# KiCad board launch.kicad_pcb (continued)
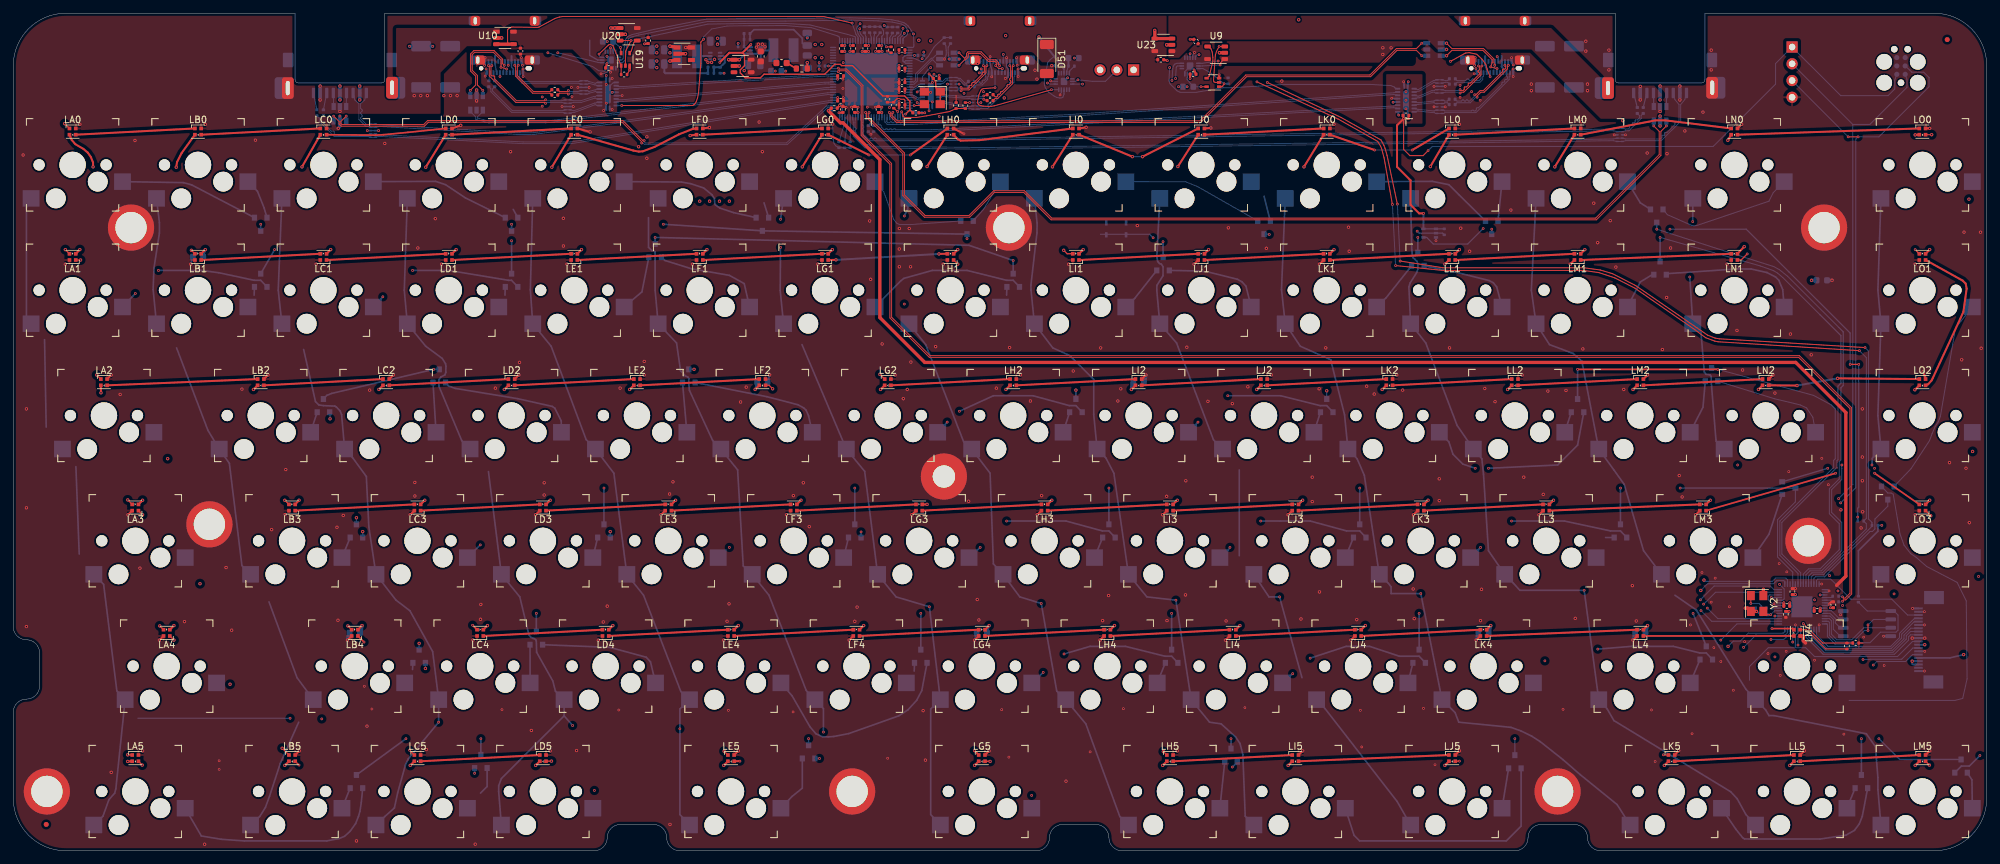
[diagram p0: board, top side]
## Routing (per net, layer and track width the routed paths; a pad name or vN(x,y) marks a point on that pad's centre or on a via; arc(x,y) is an arc through that point) (continued)
+3V6: length 157.6
  Top w0.25: LM4.2 269.6,33.7 v2(266.45,33.7)
  Top w0.3: LK4.2 v1(223.85,34.15) ; LB3.2 v1(43.3,53.15) ; 160.53,108.58 v1(157.45,103.7) ; LB4.2 v1(52.85,34.15) ; LF3.2 v1(119.35,53.15) ; 65.53,108.58 v1(62.5,103.65) ; LD1.2 v1(67.1,91.15) ; LC1.2 v1(48.1,91.15) ; 260.27,108.58 v1(259.77,107.73) ; v1(12.1,103.7) 12.1,104.35 11.77,105.17 11.3,105.85 10.63,106.43 9.41,107.14 8.87,107.77 8.52,108.58 ; 288.77,108.58 v1(288.15,108.55) ; 198.53,108.58 v1(195.55,103.7) ; LO3.2 v1(290.35,53.15) ; LE4.2 v1(109.85,34.15) ; LI3.2 v1(176.35,53.15) ; LI5.2 v1(193.15,12.95) ; LH3.2 v1(157.35,53.15) ; LA3.2 v1(19.6,53.15) ; LG2.2 v1(131.4,69.95) ; LH2.2 v1(150.4,69.95) ; 217.53,108.58 v1(214.7,103.75) ; LJ4.2 v1(204.85,34.15) ; LB1.2 v1(29.1,91.15) ; LC2.2 v1(55.4,69.95) ; LH1.2 v1(143.1,91.15) ; LA4.2 v1(24.35,34.15) ; LJ1.2 v1(181.1,91.15) ; LD5.2 v1(79.15,12.95) ; LM2.2 v1(245.4,69.95) ; LC5.2 v1(60.15,12.95) ; 122.53,108.58 v1(119.55,103.7) ; LL3.2 v1(233.35,53.15) ; LI2.2 v1(169.4,69.95) ; LD4.2 v1(90.85,34.15) ; LI1.2 v1(162.1,91.15) ; LB2.2 v1(36.4,69.95) ; LN1.2 v1(262.25,91.6) ; LO1.2 v1(290.35,91.15) ; LA1.2 v1(10.1,91.15) ; LE2.2 v1(93.4,69.95) ; LO2.2 v1(288.1,69.9) ; LM1.2 v1(238.1,91.15) ; LA5.2 v1(17.35,13.55) ; LA2.2 v1(13.3,69.45) ; LH4.2 v1(166.85,34.15) ; LG4.2 v1(147.85,34.15) ; LG1.2 v1(124.1,91.15) ; 141.53,108.58 v1(138.45,103.75) ; 179.53,108.58 v1(176.45,103.75) ; LM5.2 v1(288.15,12.95) ; 236.52,108.58 v1(233.55,103.7) ; LF1.2 v1(105.1,91.15) ; LK5.2 v1(250.15,12.95) ; LM3.2 v1(257.1,53.15) ; LK3.2 v1(214.35,53.15) ; v1(24.7,103.65) 24.82,104.43 25.53,105.82 27.52,108.58 ; LH5.2 v1(174.15,12.95) ; LJ2.2 v1(188.4,69.95) ; LN2.2 v1(264.4,69.95) ; 103.53,108.58 v1(102.55,108.45) ; LL4.2 v1(247.6,34.15) ; LL5.2 v1(269.15,12.95) ; LK2.2 v1(207.4,69.95) ; LE1.2 v1(86.1,91.15) ; LJ5.2 v1(216.9,12.95) ; LF4.2 v1(128.85,34.15) ; LC3.2 v1(62.35,53.15) ; 46.53,108.58 v1(43.75,103.7) ; LK1.2 v1(200.1,91.15) ; LD2.2 v1(74.4,69.95) ; LI4.2 v1(185.85,34.15) ; LG3.2 v1(138.45,52.53) ; LB5.2 v1(41.15,12.95) ; LL2.2 v1(226.4,69.95) ; LJ3.2 v1(195.35,53.15) ; LF2.2 v1(112.4,69.95) ; LE5.2 v1(107.65,12.95) ; LC4.2 v1(71.85,34.15) ; LE3.2 v1(100.35,53.15) ; 84.53,108.58 v1(81.6,103.65) ; LG5.2 v1(145.65,12.95) ; LD3.2 v1(81.35,53.15) ; LL1.2 v1(219.1,91.15)
  Top w0.5: v1(99.5,122) U18.1 ; v1(99.5,119.75) U18.3
  Bottom w0.25: J7.18 287.81,28.25 287.7,28.36 v1(287.7,28.75) J7.17
  Bottom w0.3: C60.1 v1(112.4,69.95) ; C69.1 R25.1 98.8,117.9 98.65,118.05 C35.1 ; C61.1 v1(29.1,91.15) ; C62.1 v1(147.85,34.15)
  Bottom w0.5: 169.56,71.05 v1(169.4,69.95) ; 273.06,86.5 v1(272.45,86.5) ; v1(223.85,34.15) 223.55,33.05 ; 52.69,33.05 v1(52.85,34.15) ; C64.1 v1(247.6,34.15)
  vias: v1(99.5,121) v1(104,98.5) v1(105.5,98.5) v1(107,98.5) v1(108.5,98.5)
/USB/VBUS_DET: length 11.3
  Top w0.15: R22.1 R21.2 141.84,112.09 138.36,111.44 136.9,111.2 135.05,111.2 134.8,111.4 v2(134.6,112.05)
  Bottom w0.15: v2(134.6,112.05) 134.4,111.8 U2.2
/USB/VBUS_MON: length 8
  Bottom w0.15: R28.1 R18.2 139.73,122.12 139.48,121.83 138.61,120.44 138.4,120.2 137.9,119.7 137.75,119.65 137.5,119.7 136.4,120.2 U2.80
GND: length 194.6
  Top w0.15: R4.2 280.25,31.5 ; v2(144.9,113.45) R22.2 ; R16.2 v2(93.4,118.4) ; R29.2 v2(132.4,121.25)
  Top w0.2: C7.2 v2(138.1,111.9) ; v2(131.65,121.2) C38.2 v2(130.65,121.2) ; C22.2 v2(126.75,121.2) ; v2(139,115) X1.2 ; C18.2 v2(134.2,121) ; v2(134.2,118.2) C23.2 v2(134.2,119.1) ; C55.2 v2(140.3,117.6)
  Top w0.25: v2(134.2,113.6) C41.2 v2(134.2,112.6) ; C58.2 v2(211.35,111) ; R3.2 v1(120.3,119.5)
  Top w0.3: LK4.4 v1(221.65,31.95) ; C17.2 v2(126.2,112.7) ; v2(128.6,121.2) C36.2 v2(129.6,121.2) ; C6.2 v2(174.85,119.8) ; C40.2 v2(125.2,113) ; LM3.4 v1(254.9,50.95) ; v2(130.6,112.75) C8.2 v2(131.6,112.75) ; LA2.4 v1(14.85,72.15) ; C57.2 v2(89.95,119.35) ; LJ5.4 v1(219.1,15.15) ; LA4.4 v1(22.15,31.95) ; C63.2 v2(178.9,118.4) ; LH0.4 v2(144.05,108.7) ; LL5.4 v1(271.35,15.15) ; LO2.4 v1(289.35,72.65) ; LJ0.4 v1(181.45,109.6) ; v2(134.2,115) C21.2 v2(134.2,116) C43.2 v2(134.2,117) ; LI2.4 v1(171.6,72.15) ; LH3.4 v1(155.15,50.95) ; LB4.4 v1(50.65,31.95) ; LI4.4 v1(183.65,31.95) ; C20.2 v2(125.75,114.2) ; C75.2 v2(178.3,123.05) ; LE5.4 v1(109.85,15.15) ; 179.53,89.58 v1(178.9,88.95) ; v2(127,112.75) C24.2 v2(128,112.75) ; LM2.4 v1(247.6,72.15) ; LF4.4 v1(126.65,31.95) ; LB2.4 v1(38.6,72.15) ; 236.52,89.58 v1(235.9,88.95) ; LF0.4 v1(105.48,109.67) ; LH4.4 v1(164.65,31.95) ; U14.3 v2(182.7,117.65) ; 198.53,89.58 v1(197.9,88.95) ; LC3.4 v1(60.15,50.95) ; LB5.4 v1(43.35,15.15) ; LK3.4 v1(212.15,50.95) ; LL3.4 v1(231.15,50.95) ; LJ4.4 v1(202.65,31.95) ; LI3.4 v1(174.15,50.95) ; LJ3.4 v1(193.15,50.95) ; LI5.4 v1(195.35,15.15) ; LE3.4 v1(98.15,50.95) ; LK5.4 v1(252.32,15.18) ; LL4.4 v1(245.4,31.95) ; LA3.4 v1(17.4,50.95) ; C37.2 v2(126,121.2) ; LN0.4 v1(261.85,110.15) ; 217.53,89.58 v1(216.9,88.95) ; LD2.4 v1(76.6,72.15) ; C74.2 v2(95.65,122.35) ; LN2.4 v1(266.6,72.15) ; C2.2 v2(275.3,36.85) ; LE0.4 v1(87.4,109) ; C19.2 v2(125.7,117) ; LD0.4 v1(67.8,110) ; LC2.4 v1(57.6,72.15) ; LD3.4 v1(79.15,50.95) ; LM5.4 v1(290.35,15.15) ; LG5.4 v1(147.85,15.15) ; LG4.4 v1(145.65,31.95) ; LI0.4 v1(162.55,109.7) ; LO0.4 v1(290.35,109.55) ; LG3.4 v1(136.15,50.95)
  Top w0.4: C3.2 v2(270,38.85) ; C1.2 v2(269.05,36.3) ; C73.1 v2(272.85,36.8) ; U19.3 v2(93.4,118.4) ; C72.1 v2(269.15,37.6)
  Top w0.5: U23.2 v1(174.75,122.2) ; U9.2 v1(182.75,121) ; v2(264.1,36.3) Y2.2 262.75,36.8 v2(262.4,36.8) ; U10.2 v1(74,123.25) ; U16.2 v1(110,119) ; 271.55,31.5 271.2,31.85 v2(271.2,32.55) LM4.4 ; U18.2 v1(101.85,120.85) ; Y2.4 v2(265.15,39.65) ; U20.2 v1(92.75,123.8)
  In1.Cu w0.137: 75.45,118.75 75.45,119.4 75.5,119.6 v2(77,120.25)
  In1.Cu w0.15: v2(146.1,119.35) 146.45,118.95 v2(146.65,118.55)
  In2.Cu w0.15: v2(146.1,119.35) 146.45,118.95 v2(146.65,118.55)
  Bottom w0.15: 177.85,118.5 177.5,118.15 U12.5 ; U15.21 90.55,116.15 90.9,116.45 U15.2 ; U12.17 v2(178.9,118.4) ; C71.2 263.95,36.45 v2(264.1,36.3) ; v2(141.8,120.05) 141.65,121 141.65,121.85 R28.2 ; R30.2 R19.2 R20.2 ; U11.17 v2(159.75,117.2) ; R11.2 R12.2 R13.2 124.6,106.9 124.37,107.23 124.23,107.83 v1(124.15,110.2) ; R33.2 v2(129.95,108.65) R34.2 ; U1.19 269.1,36
  Bottom w0.18: U22.3 v2(215.55,92.5)
  Bottom w0.2: v2(85.55,115.75) D8.3 D8.8 v2(87.25,115.75) ; D3.8 v2(143.3,116.25) ; D3.3 v2(141.55,116.25) ; v2(55.35,109.2) D6.3 D6.8 v2(53.65,109.2) ; v2(122.1,119.5) C39.2 v2(122.1,118.5) ; v2(89.95,120.45) U13.17 v2(89.95,119.35) ; v2(215.25,115.9) D5.8 D5.3 v2(216.95,115.9) ; U3.5 138.5,114.75 v2(139,115) ; v2(137.95,121.1) C42.2 v2(137.7,120.1) ; v2(83.15,112.85) D7.8 D7.3 v2(84.85,112.85) ; D2.8 v2(244.25,108.55) ; D4.8 v2(216.95,112.8) ; U2.24 125.6,112.7 ; J4.A1 v2(221.35,117.8) ; D2.3 v2(242.55,108.55) ; U3.11 v2(139.25,116.5) ; R20.2 v2(131.95,125.15) ; U3.20 v2(139.25,113.55) ; D1.3 v2(146.6,113.45) ; D1.8 v2(144.9,113.45) ; D4.3 v2(215.25,112.8)
  Bottom w0.25: U3.11 v2(139.5,117.75) ; J7.6 v2(289.55,34.25) ; U15.5 v2(90.75,115) U15.21 ; v2(138.1,111.9) R1.2 ; J5.S1 J5.S1 ; J7.1 v2(287.75,36.75) ; v2(211.35,116.6) U6.11 211.25,115.3 v2(211,113.8) 211.25,112.35 U6.20 v2(211.35,111) ; J7.14 v2(289.6,30.25) ; U3.2 137.15,113.25 v2(136.95,113.45) ; J7.20 v2(289.55,27.25) ; 109.82,121.92 v2(109.82,122.42) ; U15.21 89.85,116.3 U15.20 v2(89.85,117.55) ; U15.21 89.85,113.25 U15.11 v2(89.45,112.25) ; U6.5 209.2,113.55 v2(209.05,113.5) ; U6.2 v2(209.9,111.55) ; J4.S1 J4.S1 ; J7.2 v2(289.55,36.25)
  Bottom w0.3: v2(227.25,119.15) J4.B1 v2(227,120.25) ; v2(71.4,119.1) J5.B12 v2(71.5,120.25) ; v2(152.25,117.4) J0.A12 v2(152.25,118.55) ; R26.2 v2(107.7,117.9) ; v2(77,120.25) J5.B1 v2(77.15,119.1) ; v1(287.7,32.25) J7.10 v1(289.6,32.25) ; v2(71.65,118.55) J5.A1 v2(71.5,117.45) ; v2(221.6,118.6) J4.A1 ; C61.2 v1(26.9,88.95) ; v2(146.5,120.25) J0.B12 v2(146.1,119.35) ; v2(146.35,117.95) J0.A1 v2(146.65,118.55) ; C33.2 v2(115.45,118.23) ; C56.2 v1(157.35,119.05) ; C25.1 v2(160.75,120.2) ; C62.2 v1(145.65,31.95) ; C70.2 v2(264.1,36.3) ; v1(114.6,72.15) C60.2 ; v2(227.25,117.4) J4.A12 v2(227.25,118.55) ; v2(152,120.25) J0.B1 v2(152.1,119.1) ; v2(176.55,115.85) C26.1 v2(177.85,115.85) ; v2(77.25,117.4) J5.A12 v2(77.25,118.55) ; v2(221.4,119.1) J4.B12 v2(221.5,120.25)
  Bottom w0.4: C27.1 v2(90,122.7) ; v2(283.38,32.55) 283.93,32.55
  Bottom w0.5: v1(70.2,113.7) U21.2 v1(70.2,115.35) ; v1(49.25,109.55) 49.5,109.85 U8.2 v2(49.5,111.4) ; v1(52.5,113.85) J3.4 v1(52.5,115.95) ; v1(49.5,113.85) J3.7 v1(49.5,115.95) ; 50.81,33.05 v1(50.65,31.95) ; v2(141.8,120.05) U0.2 v2(143.3,120.05) ; 221.95,33.05 v1(221.65,31.95) ; v1(249.5,109.9) U5.2 v1(249.5,111.4) ; 120.3,118.76 v1(120.3,119.5) ; v2(63.55,121.98) v2(60.05,121.98) ; v1(252.5,115.95) J2.4 v1(252.5,113.85) ; U7.2 v1(217.15,121.5) ; C50.2 v2(120.3,123.25) ; 171.44,71.05 v1(171.6,72.15) ; v1(249.5,115.95) J2.7 v1(249.5,113.85) ; C64.2 v1(245.4,31.95) ; v2(125.2,113) 125.6,113 ; 274.94,86.5 v1(275.55,86.5)
  vias: v1(1.5,105.5) v1(2,67) v1(2,52) v1(2,34) v1(7.9,88.95) v1(10.1,110.15) v1(14.85,11.9) v1(16.2,69.2) v1(18.45,107.7) v1(19.2,42.85) v1(19.6,15.15) v1(25.95,34.75) v1(29,1) v1(29.1,110.15) v1(32.25,42.95) v1(33.1,33.45) v1(34.65,70) v1(36.7,107.75) v1(39.15,48.7) v1(41.2,51) v1(41.3,57.8) v1(45.9,88.95) v1(49.05,49.05) v1(49.2,34.95) v1(50,50.85) v1(52,1.5) v1(53.6,18.9) v1(54,69.85) v1(56.3,107.25) v1(60.85,55.85) v1(60.85,53.8) v1(61.3,91.4) v1(62.6,15.35) v1(63.95,95.85) v1(64.9,88.95) v1(65.25,114.5) v1(66.25,114.5) v1(67.25,114.5) v1(69.65,31.95) v1(70,1) v1(70.85,37.35) v1(70.8,35.1) v1(73.05,70.15) v1(75.35,106) v1(76.7,74.05) v1(78.5,18.25) v1(80.45,55.8) v1(80.45,53.95) v1(81.35,15.15) v1(83.35,95.9) v1(83.35,91.7) v1(83.9,88.95) v1(85.35,15.2) v1(88.65,31.95) v1(89.4,34.7) v1(90,37.1) v1(91.95,70.15) v1(94.75,106.75) v1(95.6,74.2) v1(95.6,72.15) v1(96,108.25) v1(96,105) v1(97.5,122) v1(97.5,121) v1(97.5,119.75) v1(97.5,118.75) v1(99.45,54.1) v1(99.5,4) v1(99.95,55.95) v1(102.9,88.95) v1(104.95,119.95) v1(105.25,119.55) v1(105.8,119.55) v1(106.25,120) v1(106.7,123.2) v1(106.7,122.3) v1(107.65,31.95) v1(108.15,34.8) v1(108.45,37.45) v1(110.2,68.05) v1(110.75,118.3) v1(111.05,70.3) v1(112.6,121.85) v1(112.9,122.3) v1(113,110.5) v1(113.5,122.3) v1(113.5,106) v1(113.9,121.9) v1(117.15,50.95) v1(118.2,53.85) v1(119.7,55.8) v1(120.6,49.15) v1(121.9,88.95) v1(127.5,34.8) v1(127.85,36.95) v1(129.75,95.5) v1(129.9,86.65) v1(131.65,76.85) v1(133.6,72.15) v1(134.25,94.35) v1(134.25,91.25) v1(134.25,88.55) v1(134.85,68.55) v1(135.45,69.95) v1(135.75,94.35) v1(135.95,88.55) v1(136,74.1) v1(137.2,122.9) v1(137.85,21.25) v1(138.2,13.75) v1(139.75,76.45) v1(140.9,88.95) v1(144.75,53) v1(146.05,38.1) v1(146.3,35) v1(148.95,70.15) v1(150.15,114.15) v1(150.35,123.6) v1(150.95,76.3) v1(152.6,72.15) v1(154.1,68.2) v1(154.8,118.35) v1(155.1,117) v1(155.8,53.85) v1(159.5,10.55) v1(159.9,88.95) v1(160.6,72.75) v1(164.75,76.25) v1(165.05,34.9) v1(165.95,38.7) v1(167.35,68.2) v1(167.8,70.05) v1(170.3,94.8) v1(174.75,53.75) v1(174.8,34.9) v1(176.35,15.15) v1(177.6,38.8) v1(177.65,56.1) v1(177.8,76.35) v1(181,68.15) v1(183.75,34.85) v1(184.1,94.45) v1(184.7,67.8) v1(187.05,70.35) v1(189.85,91.35) v1(190.6,72.15) v1(192.2,116.7) v1(194.75,126) v1(195.1,35.15) v1(196.8,56.65) v1(196.8,52.95) v1(197.85,70.05) v1(197.9,39.25) v1(198.85,76.25) v1(200.1,110.15) v1(202.3,94.55) v1(202.4,90.9) v1(203.55,35.05) v1(205.05,70.45) v1(206.2,69.25) v1(209.6,72.15) v1(210.5,69.85) v1(212.1,39.7) v1(212.25,35.2) v1(216.05,56.4) v1(216.05,53.1) v1(217.6,76.25) v1(219.1,110.15) v1(219.3,94.4) v1(220.65,90.9) v1(222.3,34.9) v1(222.45,39.65) v1(222.95,70.1) v1(224.5,68.1) v1(226.9,97.15) v1(228.6,72.15) v1(228.85,56.65) v1(230,116.25) v1(230,115.25) v1(231.8,54.05) v1(232.5,69.7) v1(235.25,69.8) v1(236.65,35.25) v1(237.6,110.55) v1(237.8,76.1) v1(238.25,122.75) v1(238.25,121.25) v1(239.45,98.2) v1(240.05,92.2) v1(241.75,121.4) v1(241.75,118.4) v1(241.95,95.55) v1(242.8,88.5) v1(243.86,110.7) v1(244,69.95) v1(245.3,40.2) v1(245.9,34.85) v1(247.55,105.8) v1(249.85,76) v1(250.5,83.9) v1(250.55,105.7) v1(251.1,91.4) v1(252.4,56.9) v1(252.85,53.65) v1(253.25,109.15) v1(256,112) v1(257.25,121.4) v1(257.25,118.4) v1(259.65,88.95) v1(261.15,78.9) v1(262,72.9) v1(266.9,69.4) v1(269.25,78.35) v1(272.4,75.2) v1(276.9,51.7) v1(279.95,48.95) v1(280.15,67) v1(280.15,59.7) v1(280.15,56.1) v1(280.2,51.4) v1(288.15,88.95) v1(288.15,50.95) v1(293.35,58.85) v1(295.2,74.45) v1(295.55,93.8) v1(295.85,58) v1(296.35,49.75) v1(298.05,93.8) v1(298.15,76.2) v2(31.2,13.65) v2(31.2,12.35) v2(53.2,24.95) v2(54.35,21.5) v2(74.05,21.4) v2(80.15,114.3) v2(80.15,112.9) v2(84.56,115.74) v2(84.65,114.35) v2(89.85,116.2) v2(89.85,113.35) v2(91.75,21.35) v2(108.35,21.3) v2(118.15,21.05) v2(125.7,115.6) v2(125.75,119.5) v2(129.4,112.75) v2(132.48,14.04) v2(132.75,112.7) v2(140.3,111.35) v2(144.05,114.85) v2(147,115.1) v2(149.75,21.4) v2(150.85,14.2) v2(163.15,15) v2(168.2,21.55) v2(186.6,21.7) v2(204.1,21.3) v2(204.3,15.75) v2(211,115.1) v2(211,112.5) v2(213.65,21.6) v2(215.4,13.05) v2(219.2,116.05) v2(219.2,114.25) v2(220.95,115.1) v2(222.25,113.8) v2(234.8,21.45) v2(248.2,21.35) v2(248.75,13.55) v2(254.1,34.25) v2(254.35,17.75) v2(255.85,42.2) v2(257.25,37.7) v2(257.65,30.8) v2(257.85,41.35) v2(258.7,28.7) v2(260,37) v2(260.6,24.35) v2(262.3,31.7) v2(265.85,29.9) v2(267.55,43.55) v2(267.7,26.6) v2(268.6,30.25) v2(268.7,42.3) v2(269,57.5) v2(272.9,38.05) v2(272.9,28.9) v2(274,59.5) v2(275,55.5) v2(276.45,39.4) v2(277.15,37.2) v2(277.35,17.7) v2(280.35,32.4) v2(283.45,28.1)
VBUS: length 15
  Top w0.15: R21.1 142.85,114.55
  Bottom w0.15: v2(157.15,116.75) 157.45,116.65 U11.15 ; v2(178.95,121.05) 178.7,120.65 U12.12 ; v2(89.05,117.8) 89.5,117.85 90,118.05 90.1,118.15 U13.12 ; U11.12 158.8,115 v2(158.6,114.6) ; R18.1 141.3,122.05 141.35,121.35 141.35,120.7 v2(141.1,120.05)
  Bottom w0.2: J0.A9 150.75,118.5 150.5,118.85 J0.B4 ; J0.A4 148.25,118.45 148.05,119.1 J0.B9
  Bottom w0.3: J0.B4 v2(150.5,120.25) ; J0.B9 v2(148,120.4) ; v2(148.25,117.35) J0.A4 ; J0.A9 150.75,117.55 150.7,117.35 150.5,117.2 v2(150.3,117.1)
  Bottom w0.5: U0.5 v2(141.1,120.05)
VCC: length 6.9
  Top w0.5: v1(110,119.95) U16.1 v1(108.4,119.95)
  Bottom w0.3: C32.1 113.24,119.25 U4.3 U4.4 110.9,120.85 v1(110,119.95)
/D+: length 224.4
  Top w0.137: v2(125,118.66) 125.13,118.53 ; v2(277.15,37.85) 277.28,38.05 277.63,38.05 278.53,38.95 278.53,67.15 270.6,75.08 138.9,75.08 133.08,80.9 133.08,104.2 128.73,108.55 128.73,116.05 126.25,118.53 125.15,118.53
  Bottom w0.137: v2(277.15,37.85) 277.05,37.75 R38.1 ; U2.42 124.7,118.6 v2(125,118.66)
/D-: length 223.5
  Top w0.137: v2(277.15,38.5) 277.28,38.3 277.52,38.3 278.27,39.05 278.27,67.05 270.5,74.82 138.8,74.82 132.82,80.8 132.82,104.1 128.47,108.45 128.47,115.95 126.15,118.27 125.15,118.27 ; v2(125,118.14) 125.13,118.27
  Bottom w0.137: v2(277.15,38.5) 277.05,38.6 R39.1 ; U2.41 124.7,118.2 v2(125,118.14)
/DR+: length 1.3
  Bottom w0.15: R38.2 275.4,38 U1.47
/DR-: length 1.3
  Bottom w0.15: U1.46 275.45,38.4 R39.2
/LED_TEN: length 92.3
  Top w0.15: 289.73,108.58 v1(290.65,108.58)
  In1.Cu w0.18: v1(295.5,29.75) 297.15,31.4 297.15,58.15 296.15,59.15 296.15,63.2 297.2,64.25 297.2,104.4 295.5,106.1 293.12,106.1 v1(290.65,108.58)
  Bottom w0.25: J7.16 293.4,29.25 v1(295.5,29.75)
/power/FB1V1: length 3.2
  Bottom w0.25: U4.5 111.3,121.35 R15.1 110.72,123.9
/power/FB3V6: length 4.4
  Bottom w0.3: R25.2 C69.2 R26.1 107.8,119.5 107.8,120.3 107.6,120.5 U17.5
/power/SW1V1: length 1.4
  Bottom w0.3: U4.2 114.64,121.35
/power/SW3V6: length 1.5
  Bottom w0.3: U17.2 104.16,120.5
/QD0: length 5
  Bottom w0.15: U24.5 276.81,32.55 275.75,33.6 275.75,35.1 275.25,35.6 U1.53
/QD1: length 14.4
  Top w0.15: v2(281,33.4) v2(281,34.25)
  Bottom w0.15: v2(281,34.25) 281.83,35.08 284.45,35.08 ; U1.55 275,34.8 275.15,34.65 275.15,32.65 276.15,31.65 278.7,31.65 280.45,33.4 v2(281,33.4)
/QD2: length 13.3
  Bottom w0.15: U24.3 280.37,33.81 278.55,32 276.3,32 275.45,32.85 275.45,34.9 275.15,35.2 U1.54
/QD3: length 3.4
  Bottom w0.15: U1.51 275.45,36.4 276.76,35.08 277.25,35.08
/QSCK: length 4.1
  Bottom w0.15: U24.6 276.79,33.81 276.05,34.55 276.05,35.2 275.25,36 U1.52
/SWCLK: length 113.8
  Top w0.15: v2(279.5,108.25) v2(278,108.25)
  In1.Cu w0.15: v2(267.6,40.4) 268.1,40.9 275.9,40.9 276.32,41.33 276.32,52.22 v2(276.85,52.75)
  Bottom w0.15: v2(278,108.25) J6.3 ; J1.4 287.3,118.4 287.65,118.05 289.45,118.05 290.25,117.25 290.25,115.85 282.65,108.25 v2(279.5,108.25) 279.15,107.9 279.15,55.05 v2(276.85,52.75) ; U1.24 268.1,38 268.3,38.2 268.3,39.7 v2(267.6,40.4)
/SWDIO: length 108.3
  In1.Cu w0.15: v2(266.35,38.4) 266.35,40.2 267.4,41.25 275.45,41.25 275.95,41.75 275.95,52.8 v2(276.55,53.4)
  Bottom w0.15: 278.7,110.13 J6.2 ; 278.7,110.13 278.7,55.55 v2(276.55,53.4) ; 278.7,110.13 281.28,110.13 286.9,115.75 286.9,117 J1.2 ; v2(266.35,38.4) U1.25
/UC_SCL: length 265.5
  Top w0.15: v2(280.55,76.3) 258.47,77.63 257.84,77.74 256.69,78.19 245.81,85.69 242.3,87.5 240.44,88.06 238,88.4 216.6,88.4 v2(210.12,89.42) ; v2(209.7,98.05) 208.13,105.47 207.83,106.53 207.66,106.96 207.22,107.77 201.15,111.2 v2(190,116.5)
  In2.Cu w0.15: v2(190,116.5) 187.5,115.85 184.13,115.42 180.85,115.4 177.65,115.4 177.4,115.75 177.1,116.15 176.65,116.3 v2(175.55,116.8) 173.27,117.62 171.2,118.24 169.9,118.24 TP1.1 167.59,116.25 v2(162,116.25) 161.7,117.2 161.55,117.4 161.43,117.48 157.72,119.87 154.68,121.33 154.25,121.5 154.08,121.53 136.63,124.27 v2(135.52,124.3)
  Bottom w0.15: U12.8 176.3,119.4 175.98,119.28 175.84,119.11 175.75,118.9 175.68,118.63 v2(175.55,116.8) ; v2(210.12,89.42) v2(209.7,98.05) ; v2(280.55,76.3) 281.09,75.76 281.09,50.3 281.6,49.79 R9.2 281.6,49.2 274.25,41.85 272.75,41.85 272.4,41.5 U1.39 ; U2.75 134.85,123.2 135.01,123.34 135.26,123.54 135.43,123.72 135.49,123.91 v2(135.52,124.3) 135.25,124.9 135.05,125.1 134.6,125.35 133.2,125.65 131.04,125.84 127.01,125.96 116.95,125.8 105.2,125.75 94.72,123.68 93.58,123.37 93.2,123.1 93.05,122.6 92.85,121.05 92.74,119.91 92.3,119.5 U13.8 ; v2(162,116.25) U11.8
/UC_SDA: length 264.2
  Top w0.15: v2(188.43,116.58) 200.71,110.96 206.71,107.56 207.15,106.85 207.3,106.5 207.68,105.08 v2(208.95,98) ; v2(209.43,88.73) 216.6,88 237.9,88 240.23,87.67 242.63,86.87 245.7,85.3 254.5,79.2 256.4,77.8 257.78,77.28 258.28,77.18 v2(279.7,75.83)
  In2.Cu w0.15: v2(188.43,116.58) 187.1,116.25 183.45,115.8 183.35,115.8 180.05,116.35 178.45,116.2 178,116.3 v2(176.1,117.1) 171.01,119.76 168.56,119.76 TP1.2 ; v2(136.4,123.85) 154.15,121.15 154.29,121.09 157.56,119.51 v2(161.3,116.9)
  Bottom w0.15: U11.7 160.9,116.65 161,116.7 v2(161.3,116.9) 163.48,116.67 165.47,116.67 TP1.2 ; v2(176.1,117.1) 176.2,118.8 176.35,119 U12.7 ; U1.38 272,41.65 272.5,42.15 274.1,42.15 280.75,48.8 280.75,49.6 R10.2 280.75,50.4 280.75,74.78 v2(279.7,75.83) ; U2.76 136.3,121.8 136.4,121.9 136.45,122 136.45,122.2 v2(136.4,123.85) 135.6,125.05 135.25,125.35 134.95,125.55 134.1,125.8 133.1,126 131.31,126.16 126.75,126.3 105.1,126.1 104.75,126.05 97.06,124.54 93.75,123.75 93.3,123.55 93.05,123.4 92.8,123.05 92.45,121.15 92.4,120.1 92.2,119.9 U13.7 ; v2(209.43,88.73) v2(208.95,98)
/USB/AL_D+: length 80.8
  Top w0.137: v2(95.59,107.69) 95.4,107.69 92.35,110.73 62.8,110.73 62.2,110.13 49.8,110.13 49.63,110.3 49.63,110.58 v2(50.45,111.4)
  Bottom w0.137: U2.28 123.55,112.93 123.2,112.93 117.15,107.33 95.75,107.33 95.59,107.5 v2(95.59,107.69)
  Bottom w0.25: U8.1 v2(50.45,111.4)
/USB/AL_D-: length 81.2
  Top w0.137: v2(95.21,107.31) 95.21,107.5 92.25,110.47 62.9,110.47 62.3,109.87 49.7,109.87 49.37,110.2 49.37,110.58 v2(48.55,111.4)
  Bottom w0.137: v2(95.21,107.31) 95.4,107.31 95.65,107.07 117.25,107.07 123.35,112.67 123.6,112.67 U2.27
  Bottom w0.25: U8.3 v2(48.55,111.4)
/USB/AL_ESD_D+: length 2.1
  Bottom w0.137: J3.3 U8.6
/USB/AL_ESD_D-: length 2.1
  Bottom w0.137: J3.2 U8.4
/USB/AL_RX+: length 77.1
  Bottom w0.137: J3.6 51.75,113.85 52.37,113.3 52.37,110.9 53.45,109.82 53.75,109.82 D6.9 D6.2 55.45,109.82 76.35,108.62 78.9,108.62 123.45,114.67 U2.32
/USB/AL_RX-: length 77.1
  Bottom w0.137: J3.5 53.26,113.84 52.63,113.3 52.63,112.58 52.88,112.33 52.88,112.18 52.63,111.93 52.63,111.78 52.88,111.53 52.88,111.38 52.63,111.13 52.63,111 53.55,110.08 53.75,110.08 D6.10 D6.1 55.5,110.08 76.37,108.88 78.85,108.88 123.36,114.93 123.45,114.93 U2.33
/USB/AL_TX+: length 80.4
  Bottom w0.137: C54.1 46.37,111.08 46.37,110.58 48.63,108.32 53.75,108.32 D6.6 D6.5 55.38,108.32 77.2,107.22 84.55,107.22 123.65,113.47 123.66,113.47 U2.29
/USB/AL_TX-: length 80.4
  Bottom w0.137: C53.1 46.63,111.08 46.63,110.68 46.71,110.6 47.06,110.6 47.17,110.5 47.17,110.14 48.18,109.13 48.54,109.13 48.64,109.02 48.64,108.67 48.73,108.58 53.75,108.58 D6.7 D6.4 55.39,108.58 77.25,107.48 84.5,107.48 123.55,113.73 123.57,113.73 U2.30
/USB/AL_VBUS: length 2.9
  Bottom w0.5: v1(46.5,115.95) J3.1 v1(46.5,113.85) ; U8.5 v1(49.5,112.1)
  vias: v1(60.75,114.5) v1(61.75,114.5) v1(62.75,114.5)
/USB/AR_D+: length 144.8
  Top w0.137: v2(250.45,109.9) 249.63,109.08 249.63,105.45 239.85,95.67 157.25,95.67 153.1,99.82 148.65,99.82 144.9,96.07 138.05,96.07 134.77,99.35 134.77,105.7 129.27,111.2 129.27,111.82 v2(129.14,111.95)
  Bottom w0.137: U2.15 v2(129.14,111.95)
  Bottom w0.3: U5.1 v2(250.45,109.9)
/USB/AR_D-: length 143.9
  Top w0.137: v2(248.55,109.9) 249.37,109.08 249.37,105.55 239.75,95.93 157.35,95.93 153.2,100.08 148.55,100.08 144.8,96.33 138.15,96.33 135.03,99.45 135.03,105.8 129.53,111.3 129.53,111.82 v2(129.66,111.95)
  Bottom w0.137: U2.14 v2(129.66,111.95)
  Bottom w0.3: U5.3 v2(248.55,109.9)
/USB/AR_ESD_D+: length 2.1
  Bottom w0.18: U5.6 J2.3
/USB/AR_ESD_D-: length 2.1
  Bottom w0.18: U5.4 J2.2
/USB/AR_RX+: length 134.7
  Bottom w0.137: U2.19 127.53,110.4 127.53,109.68 127.68,109.53 127.68,109.38 127.53,109.23 127.53,109.08 127.68,108.93 127.68,108.78 127.53,108.63 127.53,108.45 129.14,106.85 129.26,106.84 129.45,107.05 129.65,107.05 129.84,106.84 147.05,106.63 242.4,107.93 D2.2 D2.9 ; 243.84,108.05 244.3,107.93 249.58,107.93 249.77,108.13 249.77,108.41 249.84,108.48 250.13,108.48 250.2,108.55 250.2,108.83 250.27,108.9 250.55,108.9 251.74,110.1 251.74,110.33 251.84,110.43 252.07,110.43 252.37,110.72 252.37,113.15 251.75,113.9 J2.6
/USB/AR_RX-: length 134.7
  Bottom w0.137: 243.84,107.55 244.3,107.67 249.68,107.67 252.63,110.62 252.63,113.15 253.25,113.9 J2.5 ; U2.20 127.27,110.4 127.27,108.35 129.02,106.58 147.16,106.37 242.4,107.67 D2.1 D2.10
/USB/AR_TX+: length 123
  Bottom w0.137: U2.16 128.73,110.4 128.73,110.01 128.86,109.88 128.86,109.71 128.73,109.58 128.73,109.41 128.86,109.28 128.86,109.11 128.73,108.98 128.73,108.72 129.53,107.92 129.77,107.92 129.92,108.07 130.07,108.07 130.22,107.92 130.37,107.92 130.52,108.07 130.67,108.07 130.82,107.92 139.04,107.92 242.4,109.43 D2.5 D2.6 244.25,109.43 244.68,109.43 244.87,109.63 244.87,109.89 244.95,109.97 245.22,109.97 245.3,110.05 245.3,110.32 245.38,110.4 245.64,110.4 245.72,110.47 245.72,110.74 245.8,110.82 246.07,110.82 246.37,111.12 246.37,111.48 C52.1
/USB/AR_TX-: length 122.9
  Bottom w0.137: U2.17 128.47,110.4 128.47,108.62 129.43,107.66 139.04,107.66 242.4,109.17 D2.4 D2.7 244.25,109.17 244.78,109.17 246.63,111.02 246.63,111.48 C51.1
/USB/AR_VBUS: length 2.8
  Bottom w0.5: v1(246.5,113.85) J2.1 v1(246.5,115.9) ; U5.5 v1(249.5,112.1)
  vias: v1(238.5,116.25) v1(238.5,115.25)
/USB/CL_BYP: length 3.9
  Top w0.15: U19.5 v2(92,121.8)
  Bottom w0.15: v2(92,121.8) C27.2
  Bottom w0.2: 90.9,122.76 90.95,121.95 90.95,121.7 90.9,121.55 U13.4
/USB/CL_CC1: length 20.2
  In2.Cu w0.15: v2(81,121) 79.02,121.18 76.15,121.13 75.81,121.03 74.8,120.55 73.91,119.84 73.5,119.16 73.46,118.78 73.53,118.56 v2(73.75,117.4)
  Bottom w0.15: U13.13 89.65,118.3 89.6,118.2 89.45,118.2 89.28,118.22 88.69,118.29 87.76,118.91 v2(81,121)
  Bottom w0.3: J5.A5 v2(73.75,117.4)
/USB/CL_CC2: length 16.1
  In2.Cu w0.15: v2(75,119.1) 75.46,120.29 75.7,120.55 76.01,120.74 76.32,120.82 78.88,120.82 81,120.5 v2(82.5,121)
  Bottom w0.15: U13.14 88.75,119.5 v2(82.5,121)
  Bottom w0.3: J5.B5 v2(75,119.1)
/USB/CL_D0+: length 15.4
  Top w0.137: v2(74.4,119.1) 74.16,119.34 74.16,120.02 72.85,121.33 69.8,121.33 69.27,120.8 69.27,118.25 70.07,117.45 70.07,116.12 v2(69.25,115.3)
  Bottom w0.137: J5.A6 J5.B6
  Bottom w0.3: U21.1 v2(69.25,115.3)
/USB/CL_D0-: length 15.3
  Top w0.137: v2(71.15,115.3) 70.33,116.12 70.33,117.55 69.53,118.35 69.53,120.7 69.9,121.07 72.75,121.07 73.9,119.92 v2(73.9,118.8) v2(74.75,118.55)
  Bottom w0.137: J5.A7 v2(74.75,118.55) ; J5.B7 v2(73.9,118.8)
  Bottom w0.3: U21.3 v2(71.15,115.3)
/USB/CL_D+: length 56.1
  Bottom w0.137: U2.34 123.5,115.47 123.25,115.47 80.65,110.37 72.05,110.37 70.07,110.9 70.07,111.27 69.25,112.09
/USB/CL_D-: length 55.6
  Bottom w0.137: 71.15,112.09 70.33,111.27 70.33,111.1 72.1,110.63 80.6,110.63 123.2,115.73 123.5,115.73 U2.35
/USB/CL_EN: length 2.3